# KiCad board CM4IOv5.kicad_pcb (continued)
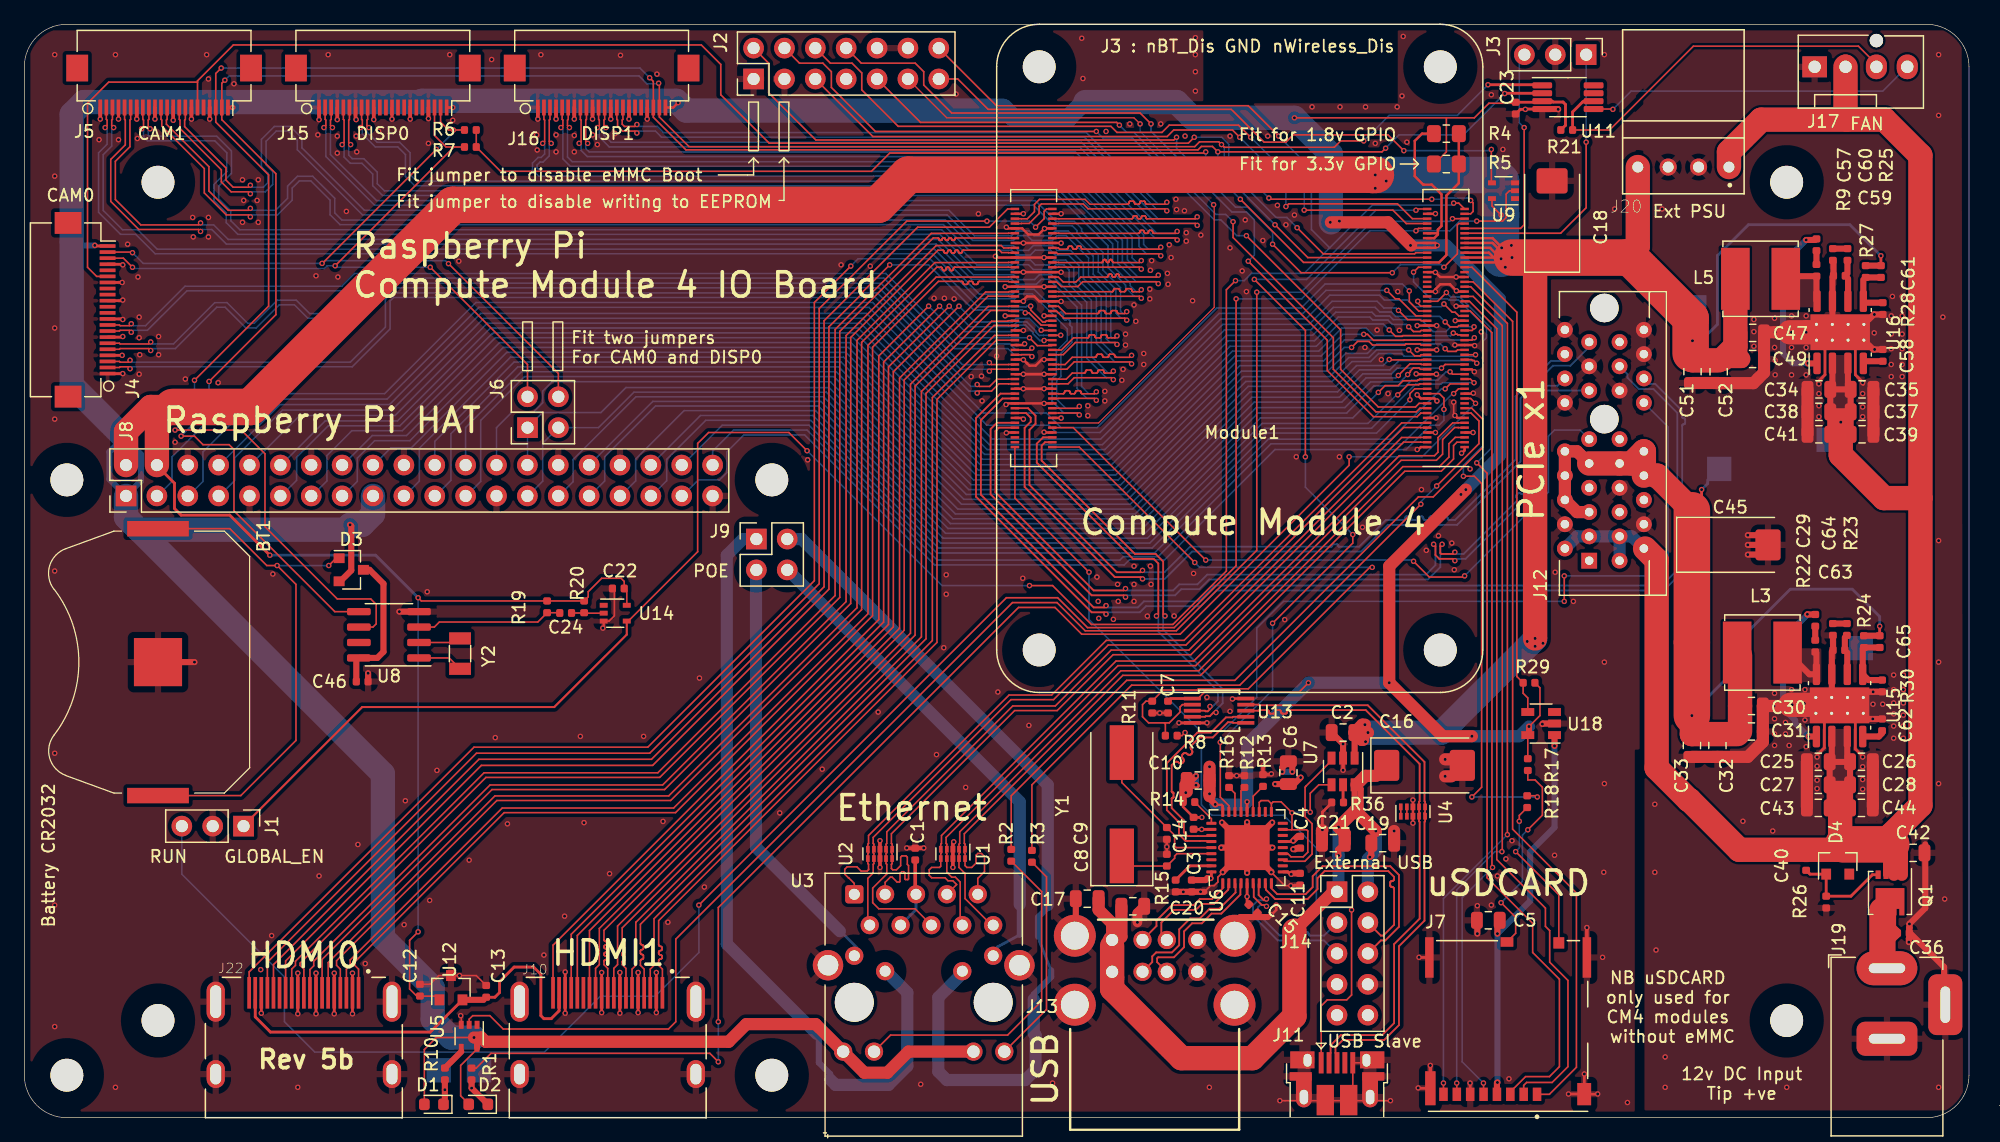
[diagram p0: board, top side]
## Routing (per net, layer and track width the routed paths; a pad name or vN(x,y) marks a point on that pad's centre or on a via; arc(x,y) is an arc through that point) (continued)
/CM4_HighSpeed/HDMI1_D2_N: length 67.5
  Top w0.127: J10.3 51.5,12.23 51.81,12.54 51.81,16.38 74.71,39.28 74.71,59.28 79.82,64.39 80.96,64.39 80.97,64.4 Module1.148
/CM4_HighSpeed/HDMI1_D2_P: length 67.5
  Top w0.127: Module1.146 79.97,64 75.09,59.12 75.09,39.12 52.19,16.22 52.19,14.25 52.19,14.22 52.2,14.19 52.22,14.16 52.24,14.14 52.27,14.12 52.3,14.11 52.37,14.1 52.4,14.09 52.42,14.07 52.45,14.05 52.46,14.02 52.48,13.99 52.48,13.96 52.48,13.9 52.48,13.87 52.46,13.84 52.45,13.81 52.42,13.79 52.4,13.77 52.37,13.76 52.3,13.75 52.27,13.74 52.24,13.72 52.22,13.7 52.2,13.67 52.19,13.64 52.19,13.61 52.19,13.55 52.19,13.52 52.2,13.49 52.22,13.46 52.24,13.44 52.27,13.42 52.3,13.41 52.37,13.4 52.4,13.39 52.42,13.37 52.45,13.35 52.46,13.32 52.48,13.29 52.48,13.26 52.48,13.2 52.48,13.17 52.46,13.14 52.45,13.11 52.42,13.09 52.4,13.07 52.37,13.06 52.3,13.05 52.27,13.04 52.24,13.02 52.22,13 52.2,12.97 52.19,12.94 52.19,12.91 52.19,12.54 52.5,12.23 J10.1
/CM4_HighSpeed/HDMI1_HOTPLUG: length 80.8
  Top w0.13: v1(74.4,66.8) 70.3,62.7 70.3,41 43.5,14.2 J10.19 ; v1(82.7,64.2) 83.35,63.55 84.53,63.55
  Bottom w0.13: v1(74.4,66.8) 77,64.2 v1(82.7,64.2)
/CM4_HighSpeed/HDMI1_SCL: length 80.4
  Top w0.13: v1(76.1,66.8) 71.1,61.8 71.1,40.6 45.5,15 J10.15 ; v1(85.27,64.4) 85.27,64.4 Module1.147
  Bottom w0.13: v1(85.27,64.4) 83.87,64.4 83.85,64.39 83.5,64.39 83.23,64.66 83.23,64.75 82.48,65.5 81.67,65.5 81.27,65.1 77.8,65.1 v1(76.1,66.8)
/CM4_HighSpeed/HDMI1_SDA: length 80
  Top w0.13: J10.16 45,15.1 70.7,40.8 70.7,62.2 v1(75.3,66.8) ; v1(83.9,63.97) 83.93,64 Module1.145
  Bottom w0.13: v1(83.9,63.97) 83.55,63.97 82.97,64.55 82.97,64.64 82.37,65.24 81.78,65.24 81.24,64.7 77.4,64.7 v1(75.3,66.8)
/CM4_HighSpeed/HDMI_5v: length 34.4
  Top w0.23: 19,9.78 19,8.3 20.25,7.05 33.4,7.05 U12.2 ; C13.1 38.72,9.91 39.1,10.3 39.1,11.2 40.3,12.4 41.9,12.4 42.5,11.8 42.5,8.4 42.75,8.15 43.35,8.15 44,8.8 44,9.78
  Top w0.5: U12.2 37.78,9.7
/CM4_HighSpeed/PCIE_CLK_N: length 73
  Top w0.147: Module1.112 80.02,57.2 79.5,56.68 79.5,51.32 87.82,43 90.45,43 v1(90.6,42.85) ; v1(117.7,46.55) 117.55,46.4 116.58,46.4 116.5,46.48 116.5,47.05 v1(116.65,47.2)
  Bottom w0.147: J12.A14 126.15,60.25 124.87,60.25 123.9,59.28 123.9,51.88 123.38,51.37 123.35,51.34 123.32,51.32 123.28,51.32 123.24,51.32 123.2,51.32 123.17,51.34 123.11,51.39 123.07,51.41 123.03,51.42 122.99,51.42 122.95,51.41 122.92,51.39 122.89,51.37 122.78,51.26 122.76,51.23 122.74,51.19 122.73,51.16 122.73,51.12 122.74,51.08 122.76,51.04 122.81,50.98 122.82,50.95 122.83,50.91 122.83,50.87 122.82,50.83 122.81,50.8 122.78,50.77 122.5,50.48 118.42,46.4 117.85,46.4 v1(117.7,46.55) ; v1(116.65,47.2) 116.5,47.05 116.5,45.32 115.48,44.3 97.48,44.3 96.68,43.5 95.18,43.5 94.68,43 90.75,43 v1(90.6,42.85)
/CM4_HighSpeed/PCIE_CLK_nREQ: length 92.6
  Top w0.13: v1(126.7,42.5) v1(126.7,44.6) ; v1(87.6,44.9) 81.5,51 Module1.102
  Bottom w0.13: v1(126.7,42.5) 103.6,42.5 101.4,40.3 101.4,34.6 98.6,31.8 96.8,31.8 87.6,41 v1(87.6,44.9) ; J12.B12 135.25,56.85 135.25,45.55 134.3,44.6 v1(126.7,44.6)
/CM4_HighSpeed/PCIE_CLK_P: length 73
  Top w0.147: v1(115.95,47.2) 116.1,47.05 116.1,46.32 116.42,46 117.55,46 v1(117.7,45.85) ; Module1.110 80.18,56.8 79.9,56.52 79.9,51.48 87.98,43.4 90.45,43.4 v1(90.6,43.55)
  Bottom w0.147: v1(90.6,43.55) 90.75,43.4 94.52,43.4 95.02,43.9 96.52,43.9 97.32,44.7 115.32,44.7 116.1,45.48 116.1,47.05 v1(115.95,47.2) ; v1(117.7,45.85) 117.85,46 118.58,46 124.3,51.72 124.3,59.12 125.03,59.85 J12.A13
/CM4_HighSpeed/PCIE_nRST: length 57.3
  Top w0.13: v1(97.2,45.9) 86.3,56.8 Module1.109 ; v1(114.3,45.8) 115.6,44.5 118.4,44.5 v1(118.5,44.6)
  Bottom w0.13: v1(114.3,45.8) 114.2,45.9 v1(97.2,45.9) ; J12.A11 128,56.6 125.9,56.6 125.4,56.1 125.4,51.5 v1(118.5,44.6)
/CM4_HighSpeed/PCIE_RX_N: length 67.9
  Top w0.147: Module1.118 82.58,58.4 83.2,57.78 83.2,57.12 82.7,56.62 82.7,52.08 89.88,44.9 91.85,44.9 v1(92,45.05)
  Bottom w0.147: 126.63,62.3 125.62,62.3 125.08,61.77 125.04,61.73 124.99,61.71 124.93,61.69 124.88,61.69 124.82,61.71 124.77,61.73 124.69,61.8 124.64,61.83 124.58,61.84 124.53,61.84 124.47,61.83 124.42,61.8 124.38,61.77 124.34,61.72 124.32,61.67 124.3,61.62 124.3,61.56 124.32,61.51 124.34,61.46 124.41,61.37 124.44,61.32 124.45,61.26 124.45,61.21 124.44,61.15 124.41,61.1 124.38,61.06 124.33,61.02 124.28,61 124.23,60.99 124.17,60.99 124.12,61 124.07,61.02 123.98,61.09 123.93,61.12 123.87,61.13 123.82,61.13 123.76,61.12 123.71,61.09 123.67,61.06 123.63,61.02 123.61,60.97 123.6,60.91 123.6,60.85 123.61,60.8 123.63,60.75 123.7,60.66 123.73,60.61 123.74,60.56 123.74,60.5 123.73,60.45 123.7,60.4 123.67,60.35 122.7,59.38 122.7,54.18 117.72,49.2 117.25,49.2 117.22,49.2 117.18,49.21 117.16,49.23 117.13,49.26 117.11,49.28 117.1,49.32 117.1,49.38 117.09,49.42 117.07,49.44 117.04,49.47 117.02,49.49 116.98,49.5 116.95,49.5 116.75,49.5 116.72,49.5 116.68,49.49 116.66,49.47 116.63,49.44 116.61,49.42 116.6,49.38 116.6,49.32 116.59,49.28 116.57,49.26 116.54,49.23 116.52,49.21 116.48,49.2 116.45,49.2 116.25,49.2 116.22,49.2 116.18,49.21 116.16,49.23 116.13,49.26 116.11,49.28 116.1,49.32 116.1,49.38 116.09,49.42 116.07,49.44 116.04,49.47 116.02,49.49 115.98,49.5 115.95,49.5 115.75,49.5 115.72,49.5 115.68,49.49 115.66,49.47 115.63,49.44 115.61,49.42 115.6,49.38 115.6,49.32 115.59,49.28 115.57,49.26 115.54,49.23 115.52,49.21 115.48,49.2 115.45,49.2 115.25,49.2 115.22,49.2 115.18,49.21 115.16,49.23 115.13,49.26 115.11,49.28 115.1,49.32 115.1,49.38 115.09,49.42 115.07,49.44 115.04,49.47 115.02,49.49 114.98,49.5 114.95,49.5 114.75,49.5 114.72,49.5 114.68,49.49 114.66,49.47 114.63,49.44 114.61,49.42 114.6,49.38 114.6,49.32 114.59,49.28 114.57,49.26 114.54,49.23 114.52,49.21 114.48,49.2 114.45,49.2 114.25,49.2 114.22,49.2 114.18,49.21 114.16,49.23 114.13,49.26 114.11,49.28 114.1,49.32 114.1,49.38 114.09,49.42 114.07,49.44 114.04,49.47 114.02,49.49 113.98,49.5 113.95,49.5 113.75,49.5 113.72,49.5 113.68,49.49 113.66,49.47 113.63,49.44 113.61,49.42 113.6,49.38 113.6,49.32 113.59,49.28 113.57,49.26 113.54,49.23 113.52,49.21 113.48,49.2 113.45,49.2 112.02,49.2 109.82,47 108.2,47 108.18,47 108.16,47.01 108.14,47.02 108.12,47.04 108.11,47.06 108.1,47.08 108.1,47.12 108.09,47.14 108.08,47.16 108.06,47.18 108.04,47.19 108.02,47.2 108,47.2 107.7,47.2 107.68,47.2 107.66,47.19 107.64,47.18 107.62,47.16 107.61,47.14 107.6,47.12 107.6,47.08 107.59,47.06 107.58,47.04 107.56,47.02 107.54,47.01 107.52,47 107.5,47 95.92,47 93.82,44.9 92.15,44.9 v1(92,45.05)
/CM4_HighSpeed/PCIE_RX_P: length 67.9
  Top w0.147: v1(92,44.35) 91.85,44.5 89.72,44.5 82.3,51.92 82.3,56.78 82.8,57.28 82.8,57.62 82.42,58 Module1.116
  Bottom w0.147: 128.75,63.44 127.21,61.9 125.78,61.9 123.1,59.22 123.1,54.02 117.88,48.8 112.18,48.8 109.98,46.6 96.08,46.6 93.83,44.35 v1(92,44.35)
/CM4_HighSpeed/PCIE_TX_N: length 91.6
  Top w0.147: v1(89,41.45) 88.85,41.6 87.82,41.6 78.3,51.12 78.3,57.58 80.32,59.6 Module1.124
  Bottom w0.147: v1(89,41.45) 89.15,41.6 91.78,41.6 92.28,42.1 96.78,42.1 98.08,43.4 134.88,43.4 136.4,44.92 136.4,56.95 136.4,56.98 136.41,57 136.43,57.03 136.45,57.05 136.47,57.06 136.5,57.07 136.55,57.08 136.58,57.09 136.6,57.1 136.62,57.12 136.64,57.15 136.65,57.17 136.65,57.2 136.65,57.45 136.65,57.48 136.64,57.5 136.62,57.53 136.6,57.55 136.58,57.56 136.55,57.57 136.5,57.58 136.47,57.59 136.45,57.6 136.43,57.62 136.41,57.65 136.4,57.67 136.4,57.7 136.4,58.18 134.18,60.4 133.27,60.4
/CM4_HighSpeed/PCIE_TX_P: length 91.7
  Top w0.147: Module1.122 80.48,59.2 78.7,57.42 78.7,51.28 87.98,42 88.85,42 v1(89,42.15)
  Bottom w0.147: v1(89,42.15) 89.15,42 91.62,42 92.12,42.5 96.62,42.5 97.92,43.8 134.72,43.8 136,45.08 136,58.02 134.04,59.97 132.83,59.97 131.9,60.9 131.9,61.2 J12.B15
/CM4_HighSpeed/SCL0: length 201.2
  Top w0.13: v1(102.9,73.5) 105.6,70.8 Module1.80 ; v1(112,79.8) 111.7,79.5 v1(98.2,79.5) 97.76,79.94 96.84,79.94 96.56,79.66 54.44,79.66 51.75,82.35 J16.20 51.75,85.3 v1(51.45,85.6) ; v1(16.2,86.4) 15.75,85.95 J5.20 15.75,81.95 20.1,77.6 20.1,66.8 v1(14,60.7) ; v1(12.4,56.6) 17.85,56.6 19.8,54.65 19.8,48.65 25.75,42.7 28.5,42.7 28.95,42.25 28.95,40.65 28.69,40.39 U8.6
  Top w0.23: v1(121.8,84.3) 121.82,84.33 U11.2
  Bottom w0.13: v1(112,79.8) 113.1,80.9 118.4,80.9 v1(121.8,84.3) ; v1(98.2,79.5) 98.2,78.2 v1(102.9,73.5) ; v1(16.2,86.4) 50.65,86.4 v1(51.45,85.6) ; v1(12.4,56.6) 14,58.2 v1(14,60.7)
/CM4_HighSpeed/SCL1: length 60
  Top w0.13: v1(8.9,70) 8.15,70.75 J4.20 ; J15.20 33.75,80.85 34.7,79.9 35.35,79.9 ; 35.35,79.9 R7.2 ; 35.35,79.9 v1(25.58,70.12) ; v1(33.4,70) 41.4,62 J6.2
  Bottom w0.13: v1(8.9,70) 9,69.9 24.7,69.9 24.92,70.12 v1(25.58,70.12) 25.7,70 v1(33.4,70)
/CM4_HighSpeed/SDA0: length 194.6
  Top w0.13: v1(104.72,73.26) 106.87,71.1 114.39,71.1 114.48,71.2 Module1.82 ; v1(110.2,80.4) 108.3,80.4 107.78,79.88 98.72,79.88 v1(98.5,80.1) 98.28,80.32 96.69,80.32 96.3,79.93 54.69,79.93 52.25,82.37 J16.21 52.25,85.09 v1(52.19,85.15) ; v1(12.9,56.1) 14,56.1 14.7,55.4 16.85,55.4 17.25,55 17.25,49.95 25.55,41.66 U8.5 ; v1(15.2,60.6) 20.7,66.1 20.7,77.7 16.25,82.15 J5.21 16.25,85.15 v1(16.5,85.4)
  Top w0.23: 124.84,85.03 v1(120.43,85.03)
  Bottom w0.13: v1(98.5,80.1) 98.72,79.88 98.72,78.38 103,74.1 103.88,74.1 v1(104.72,73.26) ; v1(15.2,60.6) 15.2,58.4 v1(12.9,56.1) ; v1(110.2,80.4) 112.3,82.5 117.9,82.5 v1(120.43,85.03) ; v1(52.19,85.15) 52.14,85.1 51.22,85.1 50.58,85.75 16.85,85.75 v1(16.5,85.4)
/CM4_HighSpeed/SDA1: length 62.2
  Top w0.13: J15.21 34.25,81.95 34.9,81.3 v1(35.3,81.3) R6.2 ; v1(33.9,79.7) 24.52,70.32 v1(24.5,70.32) ; v1(34.9,70.3) 43.94,61.26 J6.4 ; J4.21 8.85,71.25 v1(8.9,71.2)
  Bottom w0.13: v1(34.9,70.3) 34.65,70.55 24.72,70.55 v1(24.5,70.32) 9.78,70.32 v1(8.9,71.2) ; v1(35.3,81.3) 35.3,81.1 v1(33.9,79.7)
/CM4_HighSpeed/USB2_N: length 32.6
  Top w0.147: U13.4 97.15,33 97.2,33.05 97.53,33.05 97.84,33.35 v1(98.05,33.35) ; Module1.103 83.98,55.6 83.7,55.32 83.7,54.08 91.38,46.4 93.08,46.4 93.7,45.78 93.7,41.45 v1(93.85,41.3)
  Bottom w0.147: v1(93.85,41.3) 93.7,41.15 93.7,40.18 98.6,35.28 98.6,34.12 98.05,33.56 v1(98.05,33.35)
/CM4_HighSpeed/USB2_P: length 32.6
  Top w0.147: Module1.105 83.82,56 83.3,55.48 83.3,53.92 91.22,46 92.92,46 93.3,45.62 93.3,41.45 v1(93.15,41.3) ; v1(97.55,33.85) 97.55,33.64 97.37,33.45 97.2,33.45 97.15,33.5 U13.3
  Bottom w0.147: v1(93.15,41.3) 93.3,41.15 93.3,40.02 98.2,35.12 98.2,34.28 97.76,33.85 v1(97.55,33.85)
/CM4_HighSpeed/USBOTG_ID: length 61.3
  Top w0.13: Module1.101 86.8,55.2 v1(96.3,45.7) ; v1(110.9,45.3) 110.7,45.3 100.7,35.3 96.6,35.3 96.5,35.2 93.7,35.2 92.8,34.3 ; 93.8,32.5 93.88,32.42 R8.2 ; 93.8,32.5 94.2,32.5 95.09,33.39 95.09,33.81 95.28,34 U13.2 ; 93.8,32.5 92.5,32.5 92,33 92,34 92.28,34.28 R11.1
  Bottom w0.13: v1(110.9,45.3) 96.7,45.3 v1(96.3,45.7)
/nEXTRST: length 68.6
  Top w0.13: v1(102.7,40.7) 109.3,47.3 v1(109.3,48) ; v1(98.4,30.9) 98.4,26.39 99.1,25.68 U6.26 ; v1(101.2,69) 105.4,64.8 v1(105.4,54.4) ; Module1.100 114.61,74.8 v1(114.5,74.69)
  Bottom w0.13: v1(98.4,30.9) 102.7,35.2 v1(102.7,40.7) ; v1(101.2,69) 105.5,69 111.19,74.69 v1(114.5,74.69) ; v1(105.4,54.4) 105.4,51.9 v1(109.3,48)
/RTC , Wakeup, FAN/nRTC_INT: length 12
  Top w0.13: U8.3 33.73,40.39 34.15,40.8 42.25,40.8 R19.1 44.03,41.57
/USB2-HUB/HD1_N: length 8.7
  Top w0.147: 98.65,18.94 97.72,18 96.72,18 96.22,17.5 94.42,17.5 93.15,16.23 93.15,15.78 J13.2
/USB2-HUB/HD1_P: length 8.1
  Top w0.147: 99.05,19.24 99.05,18.77 97.88,17.6 96.88,17.6 96.38,17.1 94.58,17.1 93.55,16.07 93.55,15.08
/USB2-HUB/HD2_N: length 12.1
  Top w0.147: J13.6 92.8,12.81 92.8,13.28 93.12,13.6 94.42,13.6 95.02,14.2 95.02,15.5 95.92,16.4 96.72,16.4 97.52,17.2 98.32,17.2 99.65,18.54 99.65,19.24
/USB2-HUB/HD2_P: length 12.1
  Top w0.147: J13.7 93.2,12.81 93.2,13.12 93.29,13.2 94.59,13.2 95.42,14.04 95.42,15.34 96.08,16 96.88,16 97.68,16.8 98.48,16.8 100.05,18.37 100.05,19.24
/USB2-HUB/HD3_N: length 12.2
  Top w0.147: v1(102.2,17.4) 102.1,17.5 101.82,17.5 101.15,18.16 101.15,19.24
  Bottom w0.147: v1(102.2,17.4) 102.1,17.5 101.68,17.5 101.5,17.32 101.5,16.78 103.29,14.99 104.01,14.99 104.05,14.99 104.08,15 104.11,15.02 104.13,15.05 104.15,15.07 104.16,15.1 104.17,15.17 104.18,15.2 104.19,15.23 104.22,15.25 104.25,15.27 104.28,15.28 104.31,15.29 104.51,15.29 104.55,15.28 104.58,15.27 104.61,15.25 104.63,15.23 104.65,15.2 104.66,15.17 104.67,15.1 104.68,15.07 104.69,15.05 104.72,15.02 104.75,15 104.78,14.99 104.81,14.99 105.01,14.99 105.05,14.99 105.08,15 105.11,15.02 105.13,15.05 105.15,15.07 105.16,15.1 105.17,15.17 105.18,15.2 105.19,15.23 105.22,15.25 105.25,15.27 105.28,15.28 105.31,15.29 105.51,15.29 105.55,15.28 105.58,15.27 105.61,15.25 105.63,15.23 105.65,15.2 105.66,15.17 105.67,15.1 105.68,15.07 105.69,15.05 105.72,15.02 105.75,15 105.78,14.99 105.81,14.99 106.93,14.99 J14.3
/USB2-HUB/HD3_P: length 12.1
  Top w0.147: 101.55,19.24 101.55,18.33 101.98,17.9 102.1,17.9 v1(102.2,18)
  Bottom w0.147: v1(102.2,18) 102.1,17.9 101.52,17.9 101.1,17.48 101.1,16.62 103.13,14.59 106.93,14.59 J14.5
/USB2-HUB/HD4_N: length 20.3
  Top w0.147: 102.15,19.24 102.15,18.76 102.92,18 105.58,18 106.4,18.82 106.4,19.72 106.98,20.3 112.22,20.3 112.7,19.82 112.7,19.65 112.7,19.61 112.68,19.58 112.66,19.55 112.64,19.52 112.61,19.5 112.57,19.49 112.5,19.48 112.47,19.47 112.44,19.45 112.41,19.43 112.39,19.4 112.38,19.36 112.38,19.33 112.38,19.15 112.38,19.11 112.39,19.08 112.41,19.05 112.44,19.02 112.47,19 112.5,18.99 112.57,18.98 112.61,18.97 112.64,18.95 112.66,18.93 112.68,18.9 112.7,18.86 112.7,18.83 112.7,15.88 111.81,14.99 111.61,14.99 J14.4
/USB2-HUB/HD4_P: length 20.3
  Top w0.147: J14.6 111.61,14.59 111.97,14.59 113.1,15.72 113.1,19.98 112.38,20.7 106.82,20.7 106,19.88 106,18.98 105.42,18.4 103.08,18.4 102.55,18.93
/USB2-HUB/nOCS1: length 17.4
  Top w0.13: 102.6,25.85 102.6,25.85 102.75,26 103.4,26 v1(104.3,25.1) 104.3,23.75 104.25,23.7 ; 102.6,25.85 102.35,26.1 101.75,26.1 101.6,25.95 U6.21 ; 102.6,25.85 U6.19 ; U6.13 103.96,21.73 104.22,21.47 105.22,21.47 105.6,21.85 105.6,23.6 105.5,23.7 104.25,23.7 ; 104.25,23.7 103.57,23.7 ; v1(105.8,25.15) 105.8,26.7 106.5,27.4 U7.4
  Bottom w0.13: v1(105.8,25.15) 104.35,25.15 v1(104.3,25.1)
/USB2-HUB/PWR1: length 11.5
  Top w0.13: U6.12 103.67,21.11 105.36,21.11 105.95,21.7 105.95,24.2 105.38,24.78 105.38,27.2 105.45,27.28 105.45,27.3 107.55,29.4
/USB2-HUB/USBD_N: length 45.5
  Top w0.147: 107.47,5.32 107.47,5.96 108.32,6.8 111.72,6.8 112.7,7.78 112.7,14.28 114.8,16.38 114.8,24.35 114.75,24.4 U4.4 ; 114.8,24.99 114.8,25.12 114.75,25.17 U4.7 114.75,26 114.8,26.05 114.8,29.12 110.37,33.55 104.05,33.55 104.01,33.55 103.98,33.54 103.95,33.52 103.93,33.49 103.91,33.47 103.9,33.44 103.89,33.37 103.88,33.34 103.87,33.31 103.84,33.29 103.81,33.27 103.78,33.26 103.75,33.25 103.55,33.25 103.51,33.26 103.48,33.27 103.45,33.29 103.43,33.31 103.41,33.34 103.4,33.37 103.39,33.44 103.38,33.47 103.37,33.49 103.34,33.52 103.31,33.54 103.28,33.55 103.25,33.55 103.05,33.55 103.01,33.55 102.98,33.54 102.95,33.52 102.93,33.49 102.91,33.47 102.9,33.44 102.89,33.37 102.88,33.34 102.87,33.31 102.84,33.29 102.81,33.27 102.78,33.26 102.75,33.25 102.55,33.25 102.51,33.26 102.48,33.27 102.45,33.29 102.43,33.31 102.41,33.34 102.4,33.37 102.39,33.44 102.38,33.47 102.37,33.49 102.34,33.52 102.31,33.54 102.28,33.55 102.25,33.55 101.6,33.55 101.55,33.5 U13.8
/USB2-HUB/USBD_P: length 45.5
  Top w0.147: 115.2,24.99 115.2,25.12 115.25,25.17 U4.6 115.25,26 115.2,26.05 115.2,29.28 110.53,33.95 101.6,33.95 101.55,34 U13.9 ; U4.5 115.25,24.4 115.2,24.35 115.2,16.22 113.1,14.12 113.1,7.62 111.88,6.4 108.48,6.4 107.88,5.79 107.88,5.32
/USB2-HUB/USBH_N: length 17.2
  Top w0.147: 97.62,23.18 96.55,23.18 96.55,23.18 95.86,23.18 95.85,23.18 95.7,23.18 95.4,23.48 95.4,24.48 94.4,25.48 94.4,26.25 94.4,26.27 94.41,26.28 94.42,26.3 94.43,26.31 94.44,26.32 94.46,26.32 94.49,26.33 94.51,26.33 94.52,26.34 94.53,26.35 94.54,26.37 94.55,26.38 94.55,26.4 94.55,26.7 94.55,26.72 94.54,26.73 94.53,26.75 94.52,26.76 94.51,26.77 94.49,26.77 94.46,26.78 94.44,26.78 94.43,26.79 94.42,26.8 94.41,26.82 94.4,26.83 94.4,26.85 94.4,29.02 94.62,29.23 94.66,29.27 94.71,29.29 94.77,29.31 94.82,29.31 94.88,29.29 94.93,29.27 95.01,29.2 95.06,29.17 95.12,29.16 95.17,29.16 95.23,29.17 95.28,29.2 95.32,29.23 95.36,29.28 95.38,29.33 95.4,29.38 95.4,29.44 95.38,29.49 95.36,29.54 95.29,29.63 95.26,29.68 95.25,29.74 95.25,29.79 95.26,29.85 95.29,29.9 95.32,29.94 95.37,29.98 95.42,30 95.47,30.01 95.53,30.01 95.58,30 95.63,29.98 95.72,29.91 95.77,29.88 95.83,29.87 95.88,29.87 95.94,29.88 95.99,29.91 96.03,29.94 96.07,29.98 96.09,30.03 96.1,30.09 96.1,30.15 96.09,30.2 96.07,30.25 96,30.34 95.97,30.39 95.96,30.44 95.96,30.5 95.97,30.55 96,30.6 96.03,30.65 96.68,31.3 97.78,31.3 99.03,32.55 99.4,32.55 99.45,32.5 U13.6
/USB2-HUB/USBH_P: length 17.2
  Top w0.147: U13.7 99.45,33 99.4,32.95 98.87,32.95 97.62,31.7 96.52,31.7 94,29.18 94,25.32 95,24.32 95,23.32 95.54,22.78 95.69,22.78 95.69,22.78 96.72,22.78 96.72,22.78 97.62,22.78
Net-(BT1-Pad1): length 44.4
  Top w0.13: BT1.1 16.92,48.48 19.95,45.45 v1(20.8,45.45) 22.35,43.9 22.35,31.05 17.81,26.51 BT1.1 ; 25.65,46.05 v1(25.05,45.45)
  Bottom w0.13: v1(20.8,45.45) v1(25.05,45.45)
Net-(C1-Pad1): length 5.8
  Top w0.3: 73.3,21.22 73.3,18.46
  Bottom w0.23: U3.4 73.37,17.12 U3.5
Net-(C8-Pad1): length 7.1
  Top w0.13: 91.13,20.72 94,20.72 94.64,21.36 94.64,21.54 94.83,21.73 U6.33
Net-(C9-Pad1): length 12.6
  Top w0.13: U6.32 94.77,22.23 94.64,22.36 94.64,23.24 90.3,27.59 Y1.2
Net-(C24-Pad1): length 2.6
  Top w0.13: C24.1 46.04,41.54 ; U14.2 46.1,41.53
Net-(C29-Pad1): length 1.1
  Top w0.5: R22.2 C29.1
Net-(C29-Pad2): length 13.1
  Top w0.5: U15.1 v1(146.81,31.38) ; C29.2 146.72,41.42 v1(146.7,41.44)
  Bottom w0.5: 146.81,31.34 145.7,32.45 145.7,32.7 144.7,33.7 144.7,39.4 146.7,41.4
Net-(C36-Pad1): length 12.3
  Top w1: 153.45,12.3 153.45,14.75 153.9,15.2 153.5,15.6 Q1.5 152.8,17.34 152.8,17.1
  Top w2: 152.8,17.1 152.8,13.2 153.25,12.75 J19.1
Net-(C40-Pad2): length 8.6
  Top w0.23: Q1.4 152.05,20 150.28,18.24 R26.1 D4.2 146.91,20.05 C40.2
Net-(C46-Pad1): length 11.7
  Top w0.5: C46.1 27.31,37.64 ; U8.8 29.05,37.84 29.55,38.35 29.55,43.95 28.4,45.1 D3.3
Net-(C57-Pad1): length 1.1
  Top w0.5: C57.1 R9.2
Net-(C57-Pad2): length 14
  Top w0.5: v1(146.6,72.25) 147.37,72.25 ; U16.1 146.76,62.09 v1(146.75,62.1)
  Bottom w0.5: v1(146.6,72.25) 144.7,70.35 144.7,62.9 145.5,62.1 v1(146.75,62.1)
Net-(C58-Pad1): length 1.4
  Top w0.5: C58.1 151.48,62.27
Net-(C59-Pad1): length 2.9
  Top w0.5: 150.05,69.07 150.05,67.23 ; 150,70.52 150,69.48
Net-(C60-Pad1): length 1.1
  Top w0.5: C60.1 149.95,71.53
Net-(C61-Pad2): length 4.5
  Top w0.5: R28.1 151.43,67.08 ; U16.5 151.31,68.97 ; R27.2 C61.2
Net-(C62-Pad1): length 1.7
  Top w0.5: U15.4 152.59,31.38 152.85,31.64
Net-(C63-Pad1): length 2.8
  Top w0.5: U15.6 149.99,38.29 ; 149.78,38.49 149.78,39.54
Net-(C64-Pad1): length 1.1
  Top w0.5: R23.2 C64.1
Net-(C65-Pad2): length 5.2
  Top w0.5: R30.1 151.73,36.02 U15.5 151.25,38.61 ; R24.2 C65.2
Net-(D1-Pad1): length 3
  Top w0.5: 34.6,1.21 v1(34.6,2.3) 34.6,3.12
  Bottom w0.23: v1(34.6,2.3) 34.6,3.4
Net-(D2-Pad1): length 3.4
  Top w0.5: D2.1 v1(36.8,2.44) 36.8,3.12
  Bottom w0.23: v1(36.8,2.44) 36.8,3.29
Net-(J2-Pad13): length 51.1
  Top w0.13: v1(120.7,79.7) 120.7,77 ; v1(113.5,79.6) 112.2,80.9 104.4,80.9 103.8,80.3 102,80.3 99.3,83 79.3,83 76.8,85.5 J2.13
  Bottom w0.13: v1(113.5,79.6) 120.6,79.6 v1(120.7,79.7)
Net-(J7-Pad9): length 13
  Top w0.13: v1(122.7,21.9) 126.25,18.35 J7.9 ; R18.2 123,24.88 v1(123,24.4)
  Bottom w0.13: v1(122.7,21.9) 123,22.2 v1(123,24.4)
Net-(J7-Pad10): length 17.2
  Top w0.13: v1(123.7,23.7) 124.9,24.9 124.9,27.2 124.3,27.8 123.7,27.8 R17.2 ; J7.10 122.7,15.18 122.7,16.5 v1(121.5,17.7)
  Bottom w0.13: v1(121.5,17.7) 123.26,19.46 123.26,23.26 v1(123.7,23.7)
Net-(J11-Pad1): length 40.6
  Top w0.13: J11.1 106.7,9.2 107.2,9.7 108.8,9.7 109.2,10.1 v1(109.2,17.1) ; R8.1 95.25,31.45 v1(95.5,31.7)
  Bottom w0.13: v1(109.2,17.1) 109,17.3 106.3,17.3 106.3,22.2 103.6,24.9 97.7,24.9 96.85,25.75 96.85,30.35 v1(95.5,31.7)
Net-(J17-Pad3): length 31.2
  Top w0.13: 152.38,86.72 150.9,88.2 137.32,88.2 130.43,81.3 127.38,81.3
  Top w0.23: 128.3,83.67 128.22,83.6 128.2,83.6 127.38,82.78 127.38,81.3
Net-(J17-Pad4): length 27.2
  Top w0.13: v1(130.7,83) 130.68,83.03 U11.5
  Bottom w0.13: v1(130.7,83) 132.2,84.5 152.9,84.5 154.9,86.5
Net-(L3-Pad1): length 4.9
  Top w0.5: 147.44,38.24 U15.8 146.86,36.5 L3.1
Net-(L5-Pad1): length 4.3
  Top w0.5: 145.14,69.27 R9.1 147.45,67.26
Net-(Module1-Pad21): length 116.6
  Top w0.13: v1(119.4,58.8) 119,59.2 Module1.21 ; v1(109,54.4) 109,53.7 95.1,39.8 87,39.8 84.8,42 81.8,42 57.1,17.3 v1(57.1,7.9) ; R1.2 37.19,4.09 38.4,5.3 56.4,5.3 v1(57.1,4.6)
  Bottom w0.13: v1(57.1,4.6) v1(57.1,7.9) ; v1(109,54.4) 115,54.4 v1(119.4,58.8)
Net-(R2-Pad1): length 28.1
  Top w0.13: U3.16 71.27,6.8 80.9,6.8 83.7,9.6 83.7,18.62 81.2,21.12
Net-(R3-Pad1): length 17.5
  Top w0.13: R3.1 84.1,19.83 84.1,8.91 U3.18
Net-(R10-Pad2): length 1.9
  Top w0.5: 35.95,5.44 R10.2
Net-(R12-Pad1): length 2.1
  Top w0.13: R12.1 100.1,26.9 U6.24
Net-(R13-Pad1): length 2.4
  Top w0.13: R13.1 101.1,26.46 U6.22
Net-(R14-Pad1): length 2.3
  Top w0.13: U6.28 97.67,24.61 96.3,25.98
Net-(R15-Pad2): length 3.4
  Top w0.23: R15.2 95.9,20.73 U6.35
Net-(R16-Pad1): length 2.2
  Top w0.13: U6.25 99.6,26.7 R16.1
Net-(R36-Pad1): length 1.4
  Top w0.23: U7.5 108.5,25.99
Net-(U4-Pad1): length 0.8
  Top w0.13: U4.10 U4.1
Net-(U4-Pad2): length 0.8
  Top w0.13: U4.9 U4.2
Net-(U8-Pad1): length 3.7
  Top w0.13: U8.1 34.95,37.84 Y2.2
Net-(U8-Pad2): length 3
  Top w0.13: U8.2 35.52,39.11

## Copper pours and planes (outline as drawn; the poured copper is in the pictures)
/+3.3v on In2.Cu: 105.57,19.05 93.03,19.05 93.03,29.18 105.57,29.2
/+12v on Top: 150.3,55.05 148.5,55.05 148.5,62.85 150.3,62.85
/+12v on Top: 150.05,24.8 148.7,24.8 148.7,32 150.05,32
GND on Top: 154.6,32.54 142.5,32.54 142.5,35.34 154.6,35.34
GND on Top: 153.25,24.39 151.15,24.39 151.15,30.09 153.25,30.09
GND on Top: 153.3,55.05 151.2,55.05 151.2,60.75 153.3,60.75
GND on Top: 159.5,0.6 133.3,0.6 133.3,89.5 159.4,89.5 ; 1 cut-out
GND on Top: 153.9,63.2 142,63.2 142,66.2 153.9,66.2
GND on Top: 147.6,24.39 145.75,24.39 145.75,30.04 147.6,30.04
GND on Top: 147.65,55.05 145.8,55.05 145.8,60.7 147.65,60.7
GND on Top: 113,83.5 113,89.5 132.5,89.5 132.5,0.5 0.5,0.5 0.5,89.5 97,89.5 97,83.5
GND on Top: 133.6,30.3 131.6,30.3 131.5,89.5 133.6,89.5
GND on Bottom: 159.5,0.5 133.25,0.5 133.25,89.5 159.5,89.5
GND on Bottom: 134.05,30.3 131.05,30.3 131.1,89.5 134.1,89.5
GND on Bottom: 132.5,0.5 0.5,0.5 0.5,89.5 97,89.5 97,83.5 113,83.5 113,89.5 132.5,89.5
GND on Bottom: 152.5,32.3 146.4,32.3 146.4,35.7 152.5,35.7
GND on Bottom: 152.45,63.05 146.35,63.05 146.35,66.45 152.45,66.45
GND on In1.Cu: 159.5,89.5 133.25,89.55 133.25,0.55 159.5,0.5
GND on In1.Cu: 152.44,32.4 146.24,32.4 146.24,35.8 152.44,35.8
GND on In1.Cu: 146.6,66.4 146.6,66.3 152.3,66.3 152.3,63.1 146.6,63.1 146.6,66.3 146.5,66.3 146.5,66.5
GND on In1.Cu: 97,89.48 97,83.52 113,83.5 113,89.46 136.45,89.45 136,30.3 132.5,30.3 132.5,0.4 0.5,0.5 0.5,89.5
GND on In2.Cu: 159.5,89.5 139.5,89.5 139.45,55.5 139.45,30.3 133.25,30.35 133.25,0.4 159.5,0.4
GND on In2.Cu: 113,83.5 113,89.5 140,89.5 140,30.3 132.5,30.3 132.5,0.4 0.5,0.5 0.5,89.5 97,89.5 97,83.5 ; 1 cut-out
GND on In2.Cu: 152.4,63.2 146.6,63.2 146.6,66.4 152.4,66.4
GND on In2.Cu: 152.56,32.35 146.26,32.35 146.26,35.55 152.56,35.55
Net-(L3-Pad1) on Top: 147.85,35.74 145.65,35.74 145.65,38.64 147.85,38.64
Net-(L5-Pad1) on Top: 147.8,66.5 145.4,66.5 145.4,69.55 147.8,69.55

## Text on the board
Top: Board thickness  : 1.56mm / Finished copper weight inners : 1oz / Finished copper weight outers : 1oz / Board finish : OSP / Material type : FR4 / Colour of solder resists : Green / Colour of silk screens : White Only on the top side / Board to : UL94-V0 / TG >=130 / 50R trace width 0.13mm@ 3GHz / 90R diff pair width 0.147 spacing 0.253mm @ 2.5GHz / 100R diff pair width 0.127 spacing 0.253mm @ 2GHz
F.Silkscreen: Fit jumper to disable eMMC Boot | Fit jumper to disable writing to EEPROM | Fit two jumpers / For CAM0 and DISP0 | CAM0 | CAM1 | RUN    GLOBAL_EN | DISP0 | DISP1 | POE | J3 : nBT_Dis GND | Fit for 1.8v GPIO | Fit for 3.3v GPIO | nWireless_Dis | External USB | USB Slave | NB uSDCARD / only used for / CM4 modules / without eMMC | Ext PSU | 12v DC Input / Tip +ve | FAN | Battery CR2032 | Rev 5b | Raspberry Pi / Compute Module 4 IO Board | HDMI0 | Raspberry Pi HAT | HDMI1 | Ethernet | Compute Module 4 | uSDCARD | USB | PCIe x1
